# Altium PCB IntelligentCarFor51PcbDoc.PcbDoc (part 9 of 14)
Units mil, origin at the board's own origin, x right, y up, seen from the top; angles counter-clockwise.
Board outline 2298.05 x 2090.03 mil, 2 copper layers (Top Layer, Bottom Layer); 55 components, 66 nets, 258 pads, 143 vias.
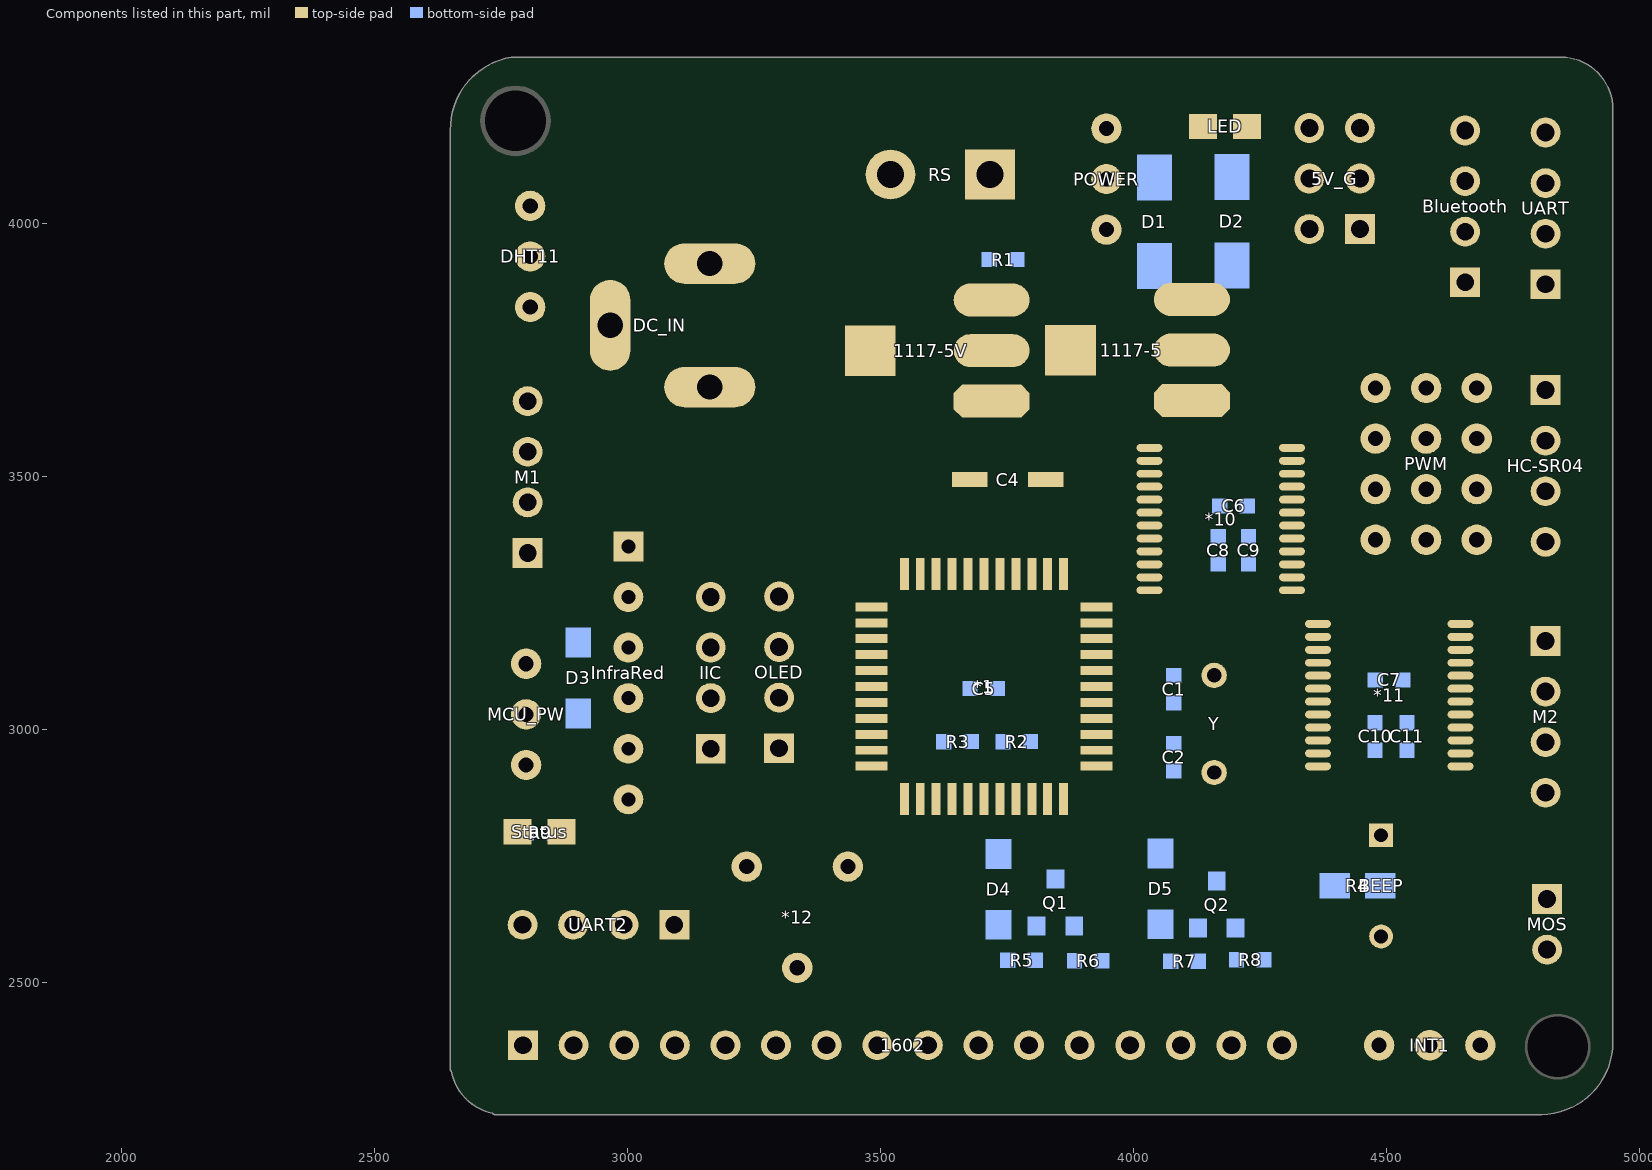
[diagram p9: the components of this part, seen from the top]

## Via types
v1: diameter 12, hole 8, Top Layer to Bottom Layer, 53 vias
v2: diameter 10, hole 7, Top Layer to Bottom Layer, 20 vias
v3: diameter 20, hole 12, Top Layer to Bottom Layer, 15 vias
v4: diameter 35, hole 25, Top Layer to Bottom Layer, 13 vias
v5: diameter 15, hole 10, Top Layer to Bottom Layer, 10 vias
v6: diameter 18, hole 12, Top Layer to Bottom Layer, 10 vias
v7: diameter 50, hole 35, Top Layer to Bottom Layer, 7 vias
v8: diameter 30, hole 20, Top Layer to Bottom Layer, 5 vias
v9: diameter 12, hole 7, Top Layer to Bottom Layer, 3 vias
v10: diameter 25, hole 18, Top Layer to Bottom Layer, 2 vias
v11: diameter 40, hole 30, Top Layer to Bottom Layer, 2 vias
v12: diameter 8, hole 7, Top Layer to Bottom Layer, 1 vias
v13: diameter 30, hole 22, Top Layer to Bottom Layer, 1 vias
v14: diameter 24, hole 18, Top Layer to Bottom Layer, 1 vias

## Nets (pads, with @x,y where several pads share a name; then routed paths per layer and width w, separated by ;. In a path a pad name is that pad's centre, name@x,y a point inside that pad or via, vN(x,y) a via of type N, cw(c..) or ccw(c..) an arc to the next point about the centre after c; other vN are vias at no path point) (continued)
copper on no net: (continued)
  Top Layer w0.35: 2116.2,3205 2121.45,3205 ; 2116.2,3205.35 2121.45,3205.35 ; 2116.2,3220.05 2121.45,3220.05 ; 2116.2,3220.4 2121.45,3220.4 ; 2116.2,3229.85 2118.3,3229.85 ; 2116.2,3237.2 2120.05,3237.2 ; 2116.2,3246.65 2290.5,3246.65 ; 2116.2,3255.75 2124.6,3255.75 ; 2116.2,3263.1 2124.6,3263.1 ; 2116.55,3195.9 2118.3,3195.9 ; 2116.55,3205.7 2121.45,3205.7 ; 2116.55,3206.05 2121.8,3206.05 ; 2116.55,3206.4 2121.8,3206.4 ; 2116.55,3219 2121.8,3219 ; 2116.55,3219.35 2121.45,3219.35 ; 2116.55,3219.7 2121.45,3219.7 ; 2116.55,3229.5 2118.3,3229.5 ; 2116.55,3236.85 2120.4,3236.85 ; 2116.55,3240.7 2123.2,3240.7 ; 2116.55,3246.3 2289.8,3246.3 ; 2116.55,3255.4 2124.25,3255.4 ; 2116.55,3263.45 2124.25,3263.45 ; 2116.9,3196.25 2118.65,3196.25 ; 2116.9,3206.75 2121.8,3206.75 ; 2116.9,3207.1 2121.8,3207.1 ; 2116.9,3207.45 2122.15,3207.45 ; 2116.9,3207.8 2122.15,3207.8 ; 2116.9,3217.95 2122.15,3217.95 ; 2116.9,3218.3 2121.8,3218.3 ; 2116.9,3218.65 2121.8,3218.65 ; 2116.9,3229.15 2118.65,3229.15 ; 2116.9,3236.5 2120.75,3236.5 ; 2116.9,3240.35 2123.55,3240.35 ; 2116.9,3255.05 2123.9,3255.05 ; 2117.25,3196.6 2119,3196.6 ; 2117.25,3208.15 2122.15,3208.15 ; 2117.25,3208.5 2122.15,3208.5 ; 2117.25,3208.85 2122.15,3208.85 ; 2117.25,3209.2 2122.5,3209.2 ; 2117.25,3216.2 2122.15,3216.2 ; 2117.25,3216.55 2122.15,3216.55 ; 2117.25,3216.9 2122.15,3216.9 ; 2117.25,3217.25 2122.15,3217.25 ; 2117.25,3217.6 2122.15,3217.6 ; 2117.25,3228.8 2119,3228.8 ; 2117.25,3236.15 2121.1,3236.15 ; 2117.25,3240 2123.9,3240 ; 2117.25,3245.95 2289.45,3245.95 ; 2117.25,3263.8 2123.55,3263.8 ; 2117.6,3196.95 2119.35,3196.95 ; 2117.6,3197.3 2119.35,3197.3 ; 2117.6,3209.55 2122.5,3209.55 ; 2117.6,3209.9 2122.5,3209.9 ; 2117.6,3210.25 2122.5,3210.25 ; 2117.6,3210.6 2122.5,3210.6 ; 2117.6,3210.95 2122.5,3210.95 ; 2117.6,3211.3 2122.5,3211.3 ; 2117.6,3211.65 2122.5,3211.65 ; 2117.6,3212 2122.5,3212 ; 2117.6,3212.35 2122.5,3212.35 ; 2117.6,3212.7 2122.5,3212.7 ; 2117.6,3213.05 2122.5,3213.05 ; 2117.6,3213.4 2122.5,3213.4 ; 2117.6,3213.75 2122.5,3213.75 ; 2117.6,3214.1 2122.5,3214.1 ; 2117.6,3214.45 2122.5,3214.45 ; 2117.6,3214.8 2122.5,3214.8 ; 2117.6,3215.15 2122.5,3215.15 ; 2117.6,3215.5 2122.5,3215.5 ; 2117.6,3215.85 2122.5,3215.85 ; 2117.6,3228.45 2119.35,3228.45 ; 2117.6,3254.7 2123.2,3254.7 ; 2117.6,3264.15 2123.2,3264.15 ; 2117.95,3197.65 2119.7,3197.65 ; 2117.95,3227.75 2119.7,3227.75 ; 2117.95,3228.1 2119.35,3228.1 ; 2117.95,3235.8 2121.45,3235.8 ; 2117.95,3239.65 2124.25,3239.65 ; 2117.95,3245.6 2294.7,3245.6 ; 2117.95,3254.35 2122.85,3254.35 ; 2117.95,3299.85 2242.9,3299.85 ; 2118.3,3198 2120.05,3198 ; 2118.3,3227.4 2120.05,3227.4 ; 2118.3,3235.45 2121.8,3235.45 ; 2118.3,3239.3 2124.6,3239.3 ; 2118.3,3245.25 2288.05,3245.25 ; 2118.65,3198.35 2120.05,3198.35 ; 2118.65,3198.7 2120.4,3198.7 ; 2118.65,3226.7 2120.4,3226.7 ; 2118.65,3227.05 2120.05,3227.05 ; 2118.65,3235.1 2122.15,3235.1 ; 2118.65,3238.95 2124.95,3238.95 ; 2118.65,3264.5 2122.15,3264.5 ; 2119,3199.05 2120.75,3199.05 ; 2119,3226.35 2120.75,3226.35 ; 2119,3234.75 2122.5,3234.75 ; 2119,3244.9 2287.35,3244.9 ; 2119.35,3199.4 2120.75,3199.4 ; 2119.35,3199.75 2121.1,3199.75 ; 2119.35,3225.65 2121.1,3225.65 ; 2119.35,3226 2120.75,3226 ; 2119.35,3234.4 2122.85,3234.4 ; 2119.35,3238.6 2125.3,3238.6 ; 2119.35,3244.55 2295.75,3244.55 ; 2119.35,3254 2121.45,3254 ; 2119.7,3200.1 2121.1,3200.1 ; 2119.7,3225.3 2121.1,3225.3 ; 2119.7,3233.7 2123.2,3233.7 ; 2119.7,3234.05 2122.85,3234.05 ; 2119.7,3238.25 2125.65,3238.25 ; 2120.05,3200.45 2121.45,3200.45 ; 2120.05,3200.8 2121.45,3200.8 ; 2120.05,3224.6 2121.45,3224.6 ; 2120.05,3224.95 2121.45,3224.95 ; 2120.05,3233.35 2123.55,3233.35 ; 2120.05,3237.9 2125.65,3237.9 ; 2120.05,3244.2 2286.3,3244.2 ; 2120.4,3201.15 2121.8,3201.15 ; 2120.4,3201.5 2121.8,3201.5 ; 2120.4,3223.9 2121.8,3223.9 ; 2120.4,3224.25 2121.8,3224.25 ; 2120.4,3233 2123.55,3233 ; 2120.4,3237.55 2126,3237.55 ; 2120.4,3243.85 2296.45,3243.85 ; 2120.75,3201.85 2122.15,3201.85 ; 2120.75,3202.2 2122.15,3202.2 ; 2120.75,3223.2 2122.15,3223.2 ; 2120.75,3223.55 2122.15,3223.55 ; 2120.75,3232.65 2123.9,3232.65 ; 2120.75,3237.2 2126.35,3237.2 ; 2120.75,3243.5 2285.25,3243.5 ; 2121.1,3202.55 2122.5,3202.55 ; 2121.1,3202.9 2122.5,3202.9 ; 2121.1,3203.25 2122.85,3203.25 ; 2121.1,3222.15 2122.85,3222.15 ; 2121.1,3222.5 2122.5,3222.5 ; 2121.1,3222.85 2122.5,3222.85 ; 2121.1,3231.95 2124.25,3231.95 ; 2121.1,3232.3 2124.25,3232.3 ; 2121.1,3236.85 2126.7,3236.85 ; 2121.1,3243.15 2284.9,3243.15 ; 2121.45,3203.6 2122.85,3203.6 ; 2121.45,3203.95 2122.85,3203.95 ; 2121.45,3221.45 2122.85,3221.45 ; 2121.45,3221.8 2122.85,3221.8 ; 2121.45,3231.6 2124.6,3231.6 ; 2121.45,3236.5 2126.7,3236.5 ; 2121.45,3242.8 2284.55,3242.8 ; 2121.45,3253.65 2171.5,3253.65 ; 2121.8,3204.3 2123.2,3204.3 ; 2121.8,3204.65 2123.2,3204.65 ; 2121.8,3205 2123.2,3205 ; 2121.8,3220.4 2123.2,3220.4 ; 2121.8,3220.75 2123.2,3220.75 ; 2121.8,3221.1 2123.2,3221.1 ; 2121.8,3230.9 2124.95,3230.9 ; 2121.8,3231.25 2124.95,3231.25 ; 2121.8,3236.15 2127.05,3236.15 ; 2122.15,3205.35 2123.55,3205.35 ; 2122.15,3205.7 2125.65,3205.7 ; 2122.15,3206.05 2283.5,3206.05 ; 2122.15,3206.4 2278.25,3206.4 ; 2122.15,3219.35 2123.55,3219.35 ; 2122.15,3219.7 2123.55,3219.7 ; 2122.15,3220.05 2123.55,3220.05 ; 2122.15,3230.55 2125.3,3230.55 ; 2122.15,3235.45 2127.4,3235.45 ; 2122.15,3235.8 2127.4,3235.8 ; 2122.15,3242.45 2284.2,3242.45 ; 2122.5,3206.75 2278.25,3206.75 ; 2122.5,3207.1 2123.9,3207.1 ; 2122.5,3207.45 2123.9,3207.45 ; 2122.5,3207.8 2123.9,3207.8 ; 2122.5,3217.6 2123.9,3217.6 ; 2122.5,3217.95 2123.9,3217.95 ; 2122.5,3218.3 2123.9,3218.3 ; 2122.5,3218.65 2123.9,3218.65 ; 2122.5,3219 2123.9,3219 ; 2122.5,3230.2 2125.65,3230.2 ; 2122.5,3235.1 2127.75,3235.1 ; 2122.5,3242.1 2297.85,3242.1 ; 2122.5,3264.85 2162.75,3264.85 ; 2122.85,3208.15 2124.25,3208.15 ; 2122.85,3208.5 2124.25,3208.5 ; 2122.85,3208.85 2124.25,3208.85 ; 2122.85,3209.2 2124.25,3209.2 ; 2122.85,3209.55 2124.25,3209.55 ; 2122.85,3209.9 2124.25,3209.9 ; 2122.85,3210.25 2124.25,3210.25 ; 2122.85,3210.6 2124.25,3210.6 ; 2122.85,3215.15 2124.25,3215.15 ; 2122.85,3215.5 2124.25,3215.5 ; 2122.85,3215.85 2124.25,3215.85 ; 2122.85,3216.2 2124.25,3216.2 ; 2122.85,3216.55 2124.25,3216.55 ; 2122.85,3216.9 2124.25,3216.9 ; 2122.85,3217.25 2123.9,3217.25 ; 2122.85,3229.5 2126,3229.5 ; 2122.85,3229.85 2125.65,3229.85 ; 2122.85,3234.75 2128.1,3234.75 ; 2122.85,3241.75 2292.6,3241.75 ; 2122.85,3254 2170.45,3254 ; 2123.2,3210.95 2124.25,3210.95 ; 2123.2,3211.3 2124.6,3211.3 ; 2123.2,3211.65 2124.6,3211.65 ; 2123.2,3212 2124.6,3212 ; 2123.2,3212.35 2124.6,3212.35 ; 2123.2,3212.7 2124.6,3212.7 ; 2123.2,3213.05 2124.6,3213.05 ; 2123.2,3213.4 2124.6,3213.4 ; 2123.2,3213.75 2124.6,3213.75 ; 2123.2,3214.1 2124.6,3214.1 ; 2123.2,3214.45 2124.25,3214.45 ; 2123.2,3214.8 2124.25,3214.8 ; 2123.2,3228.8 2126.35,3228.8 ; 2123.2,3229.15 2126,3229.15 ; 2123.2,3234.4 2128.1,3234.4 ; 2123.2,3241.4 2282.8,3241.4 ; 2123.2,3264.5 2162.4,3264.5 ; 2123.55,3228.1 2126.7,3228.1 ; 2123.55,3228.45 2126.35,3228.45 ; 2123.55,3233.7 2128.8,3233.7 ; 2123.55,3234.05 2128.45,3234.05 ; 2123.55,3241.05 2282.45,3241.05 ; 2123.55,3254.35 2170.1,3254.35 ; 2123.55,3264.15 2230.65,3264.15 ; 2123.9,3227.4 2127.05,3227.4 ; 2123.9,3227.75 2126.7,3227.75 ; 2123.9,3233.35 2128.8,3233.35 ; 2123.9,3240.7 2282.1,3240.7 ; 2123.9,3254.7 2169.4,3254.7 ; 2123.9,3269.75 2166.25,3269.75 ; 2124.25,3226.7 2127.05,3226.7 ; 2124.25,3227.05 2127.05,3227.05 ; 2124.25,3232.65 2129.15,3232.65 ; 2124.25,3233 2129.15,3233 ; 2124.25,3240.35 2281.75,3240.35 ; 2124.25,3263.8 2234.85,3263.8 ; 2124.25,3268.7 2145.25,3268.7 ; 2124.6,3225.65 2127.75,3225.65 ; 2124.6,3226 2127.4,3226 ; 2124.6,3226.35 2127.4,3226.35 ; 2124.6,3232.3 2129.5,3232.3 ; 2124.6,3240 2281.4,3240 ; 2124.6,3255.05 2169.05,3255.05 ; 2124.6,3263.45 2161.7,3263.45 ; 2124.95,3224.95 2127.75,3224.95 ; 2124.95,3225.3 2127.75,3225.3 ; 2124.95,3231.6 2129.85,3231.6 ; 2124.95,3231.95 2129.5,3231.95 ; 2124.95,3239.3 2288.75,3239.3 ; 2124.95,3239.65 2289.1,3239.65 ; 2124.95,3255.4 2168.7,3255.4 ; 2124.95,3255.75 2329,3255.75 ; 2124.95,3263.1 2161.35,3263.1 ; 2125.3,3223.9 2128.1,3223.9 ; 2125.3,3224.25 2128.1,3224.25 ; 2125.3,3224.6 2128.1,3224.6 ; 2125.3,3231.25 2129.85,3231.25 ; 2125.3,3238.95 2292.95,3238.95 ; 2125.3,3256.1 2166.25,3256.1 ; 2125.3,3262.75 2235.9,3262.75 ; 2125.3,3308.25 2206.5,3308.25 ; 2125.65,3207.1 2278.25,3207.1 ; 2125.65,3222.85 2128.45,3222.85 ; 2125.65,3223.2 2128.45,3223.2 ; 2125.65,3223.55 2128.45,3223.55 ; 2125.65,3230.55 2130.2,3230.55 ; 2125.65,3230.9 2130.2,3230.9 ; 2125.65,3238.6 2287.7,3238.6 ; 2125.65,3256.45 2165.55,3256.45 ; 2125.65,3256.8 2165.2,3256.8 ; 2125.65,3262.05 2235.55,3262.05 ; 2125.65,3262.4 2161,3262.4 ; 2126,3221.8 2128.8,3221.8 ; 2126,3222.15 2128.8,3222.15 ; 2126,3222.5 2128.8,3222.5 ; 2126,3229.85 2130.55,3229.85 ; 2126,3230.2 2130.55,3230.2 ; 2126,3238.25 2280,3238.25 ; 2126,3257.15 2165.2,3257.15 ; 2126,3257.5 2165.2,3257.5 ; 2126,3261 2235.55,3261 ; 2126,3261.35 2280.35,3261.35 ; 2126,3261.7 2160.65,3261.7 ; 2126.35,3220.4 2129.15,3220.4 ; 2126.35,3220.75 2129.15,3220.75 ; 2126.35,3221.1 2129.15,3221.1 ; 2126.35,3221.45 2129.15,3221.45 ; 2126.35,3229.15 2130.9,3229.15 ; 2126.35,3229.5 2130.9,3229.5 ; 2126.35,3237.55 2279.3,3237.55 ; 2126.35,3237.9 2279.65,3237.9 ; 2126.35,3257.85 2165.2,3257.85 ; 2126.35,3258.2 2165.2,3258.2 ; 2126.35,3258.55 2165.55,3258.55 ; 2126.35,3258.9 2168.35,3258.9 ; 2126.35,3259.25 2178.15,3259.25 ; 2126.35,3259.6 2168.7,3259.6 ; 2126.35,3259.95 2169.05,3259.95 ; 2126.35,3260.3 2169.75,3260.3 ; 2126.35,3260.65 2170.1,3260.65 ; 2126.7,3219 2129.5,3219 ; 2126.7,3219.35 2129.5,3219.35 ; 2126.7,3219.7 2129.5,3219.7 ; 2126.7,3220.05 2129.5,3220.05 ; 2126.7,3228.45 2131.25,3228.45 ; 2126.7,3228.8 2131.25,3228.8 ; 2126.7,3237.2 2279.3,3237.2 ; 2127.05,3217.25 2129.85,3217.25 ; 2127.05,3217.6 2129.85,3217.6 ; 2127.05,3217.95 2129.85,3217.95 ; 2127.05,3218.3 2129.85,3218.3 ; 2127.05,3218.65 2129.5,3218.65 ; 2127.05,3227.75 2131.6,3227.75 ; 2127.05,3228.1 2131.25,3228.1 ; 2127.05,3236.85 2278.95,3236.85 ; 2127.4,3215.15 2128.8,3215.15 ; 2127.4,3215.5 2130.2,3215.5 ; 2127.4,3215.85 2130.2,3215.85 ; 2127.4,3216.2 2130.2,3216.2 ; 2127.4,3216.55 2129.85,3216.55 ; 2127.4,3216.9 2129.85,3216.9 ; 2127.4,3227.05 2131.95,3227.05 ; 2127.4,3227.4 2131.6,3227.4 ; 2127.4,3236.15 2285.25,3236.15 ; 2127.4,3236.5 2278.6,3236.5 ; 2127.75,3212 2278.6,3212 ; 2127.75,3212.35 2272.65,3212.35 ; 2127.75,3212.7 2258.65,3212.7 ; 2127.75,3213.05 2241.5,3213.05 ; 2127.75,3213.4 2226.45,3213.4 ; 2127.75,3213.75 2209.3,3213.75 ; 2127.75,3214.1 2190.05,3214.1 ; 2127.75,3214.45 2171.85,3214.45 ; 2127.75,3214.8 2149.1,3214.8 ; 2127.75,3226 2132.3,3226 ; 2127.75,3226.35 2131.95,3226.35 ; 2127.75,3226.7 2131.95,3226.7 ; 2127.75,3235.8 2278.25,3235.8 ; 2128.1,3207.45 2278.25,3207.45 ; 2128.1,3207.8 2278.6,3207.8 ; 2128.1,3208.15 2278.25,3208.15 ; 2128.1,3208.5 2278.25,3208.5 ; 2128.1,3208.85 2278.6,3208.85 ; 2128.1,3209.2 2278.6,3209.2 ; 2128.1,3209.55 2278.6,3209.55 ; 2128.1,3209.9 2278.6,3209.9 ; 2128.1,3210.25 2278.6,3210.25 ; 2128.1,3210.6 2278.6,3210.6 ; 2128.1,3210.95 2278.6,3210.95 ; 2128.1,3211.3 2278.6,3211.3 ; 2128.1,3211.65 2278.6,3211.65 ; 2128.1,3225.3 2132.3,3225.3 ; 2128.1,3225.65 2132.3,3225.65 ; 2128.1,3235.1 2284.2,3235.1 ; 2128.1,3235.45 2277.9,3235.45 ; 2128.45,3203.95 2278.25,3203.95 ; 2128.45,3204.3 2278.25,3204.3 ; 2128.45,3204.65 2278.25,3204.65 ; 2128.45,3205 2281.05,3205 ; 2128.45,3205.35 2283.85,3205.35 ; 2128.45,3205.7 2283.85,3205.7 ; 2128.45,3224.25 2132.65,3224.25 ; 2128.45,3224.6 2132.65,3224.6 ; 2128.45,3224.95 2132.65,3224.95 ; 2128.45,3234.4 2283.5,3234.4 ; 2128.45,3234.75 2277.55,3234.75 ; 2128.8,3203.6 2278.25,3203.6 ; 2128.8,3223.2 2133,3223.2 ; 2128.8,3223.55 2133,3223.55 ; 2128.8,3223.9 2133,3223.9 ; 2128.8,3234.05 2286.65,3234.05 ; 2129.15,3221.8 2133.35,3221.8 ; 2129.15,3222.15 2133.35,3222.15 ; 2129.15,3222.5 2133.35,3222.5 ; 2129.15,3222.85 2133.35,3222.85 ; 2129.15,3233.35 2276.85,3233.35 ; 2129.15,3233.7 2286.65,3233.7 ; 2129.5,3220.4 2133.7,3220.4 ; 2129.5,3220.75 2133.7,3220.75 ; 2129.5,3221.1 2133.7,3221.1 ; 2129.5,3221.45 2133.7,3221.45 ; 2129.5,3232.65 2285.6,3232.65 ; 2129.5,3233 2282.45,3233 ; 2129.85,3218.65 2134.05,3218.65 ; 2129.85,3219 2134.05,3219 ; 2129.85,3219.35 2134.05,3219.35 ; 2129.85,3219.7 2134.05,3219.7 ; 2129.85,3220.05 2134.05,3220.05 ; 2129.85,3231.95 2281.75,3231.95 ; 2129.85,3232.3 2285.25,3232.3 ; 2130.2,3216.55 2134.4,3216.55 ; 2130.2,3216.9 2134.4,3216.9 ; 2130.2,3217.25 2134.4,3217.25 ; 2130.2,3217.6 2134.4,3217.6 ; 2130.2,3217.95 2134.4,3217.95 ; 2130.2,3218.3 2134.4,3218.3 ; 2130.2,3231.25 2281.4,3231.25 ; 2130.2,3231.6 2275.8,3231.6 ; 2130.55,3215.5 2134.75,3215.5 ; 2130.55,3215.85 2134.75,3215.85 ; 2130.55,3216.2 2278.95,3216.2 ; 2130.55,3230.9 2275.45,3230.9 ; 2130.9,3229.85 2283.5,3229.85 ; 2130.9,3230.2 2280.7,3230.2 ; 2130.9,3230.55 2284.2,3230.55 ; 2131.25,3229.15 2283.15,3229.15 ; 2131.25,3229.5 2274.75,3229.5 ; 2131.6,3228.1 2279.65,3228.1 ; 2131.6,3228.45 2279.65,3228.45 ; 2131.6,3228.8 2280,3228.8 ; 2131.95,3227.4 2279.3,3227.4 ; 2131.95,3227.75 2282.45,3227.75 ; 2132.3,3226.35 2282.1,3226.35 ; 2132.3,3226.7 2282.1,3226.7 ; 2132.3,3227.05 2282.1,3227.05 ; 2132.65,3225.3 2281.4,3225.3 ; 2132.65,3225.65 2278.6,3225.65 ; 2132.65,3226 2278.6,3226 ; 2133,3224.25 2281.05,3224.25 ; 2133,3224.6 2281.4,3224.6 ; 2133,3224.95 2281.4,3224.95 ; 2133,3297.4 2164.85,3297.4 ; 2133.35,3203.25 2278.25,3203.25 ; 2133.35,3223.2 2280.7,3223.2 ; 2133.35,3223.55 2281.05,3223.55 ; 2133.35,3223.9 2281.05,3223.9 ; 2133.7,3222.15 2280.35,3222.15 ; 2133.7,3222.5 2280.7,3222.5 ; 2133.7,3222.85 2280.7,3222.85 ; 2134.05,3220.4 2280,3220.4 ; 2134.05,3220.75 2280,3220.75 ; 2134.05,3221.1 2280,3221.1 ; 2134.05,3221.45 2280.35,3221.45 ; 2134.05,3221.8 2280.35,3221.8 ; 2134.05,3268.35 2134.4,3268.35 ; 2134.4,3218.65 2279.65,3218.65 ; 2134.4,3219 2279.65,3219 ; 2134.4,3219.35 2279.65,3219.35 ; 2134.4,3219.7 2279.65,3219.7 ; 2134.4,3220.05 2280,3220.05 ; 2134.4,3269.4 2166.25,3269.4 ; 2134.75,3216.9 2279.3,3216.9 ; 2134.75,3217.25 2279.3,3217.25 ; 2134.75,3217.6 2279.3,3217.6 ; 2134.75,3217.95 2279.3,3217.95 ; 2134.75,3218.3 2279.3,3218.3 ; 2135.1,3215.5 2278.95,3215.5 ; 2135.1,3215.85 2278.95,3215.85 ; 2135.1,3216.55 2279.3,3216.55 ; 2135.1,3268.35 2156.1,3268.35 ; 2137.2,3308.6 2198.8,3308.6 ; 2142.8,3271.15 2143.15,3271.15 ; 2144.2,3268 2166.95,3268 ; 2144.55,3202.9 2278.25,3202.9 ; 2145.6,3269.05 2168,3269.05 ; 2148.05,3299.5 2239.75,3299.5 ; 2149.45,3215.15 2278.95,3215.15 ; 2152.6,3297.05 2164.85,3297.05 ; 2153.65,3267.65 2177.45,3267.65 ; 2153.65,3271.15 2165.9,3271.15 ; 2153.65,3296.7 2164.85,3296.7 ; 2154.35,3271.5 2165.9,3271.5 ; 2154.35,3296.35 2164.85,3296.35 ; 2154.7,3271.85 2165.9,3271.85 ; 2154.7,3295.65 2164.85,3295.65 ; 2154.7,3296 2164.85,3296 ; 2155.05,3272.2 2165.9,3272.2 ; 2155.05,3272.55 2165.9,3272.55 ; 2155.05,3295.3 2164.85,3295.3 ; 2155.4,3272.9 2165.9,3272.9 ; 2155.4,3273.25 2165.9,3273.25 ; 2155.4,3273.6 2165.9,3273.6 ; 2155.4,3273.95 2165.9,3273.95 ; 2155.4,3275 2165.9,3275 ; 2155.4,3275.35 2165.9,3275.35 ; 2155.4,3275.7 2165.9,3275.7 ; 2155.4,3276.05 2165.9,3276.05 ; 2155.4,3276.4 2165.9,3276.4 ; 2155.4,3276.75 2165.9,3276.75 ; 2155.4,3277.1 2165.9,3277.1 ; 2155.4,3277.45 2165.9,3277.45 ; 2155.4,3277.8 2165.9,3277.8 ; 2155.4,3278.15 2167.3,3278.15 ; 2155.4,3278.5 2167.3,3278.5 ; 2155.4,3278.85 2165.55,3278.85 ; 2155.4,3279.2 2165.55,3279.2 ; 2155.4,3279.55 2165.55,3279.55 ; 2155.4,3279.9 2165.55,3279.9 ; 2155.4,3280.25 2165.55,3280.25 ; 2155.4,3280.6 2165.55,3280.6 ; 2155.4,3280.95 2165.55,3280.95 ; 2155.4,3281.3 2165.55,3281.3 ; 2155.4,3281.65 2165.55,3281.65 ; 2155.4,3282 2165.55,3282 ; 2155.4,3282.35 2165.55,3282.35 ; 2155.4,3282.7 2165.55,3282.7 ; 2155.4,3283.05 2165.55,3283.05 ; 2155.4,3283.4 2165.55,3283.4 ; 2155.4,3283.75 2165.55,3283.75 ; 2155.4,3284.1 2165.55,3284.1 ; 2155.4,3284.45 2165.55,3284.45 ; 2155.4,3284.8 2165.55,3284.8 ; 2155.4,3285.15 2165.55,3285.15 ; 2155.4,3285.5 2165.55,3285.5 ; 2155.4,3285.85 2165.55,3285.85 ; 2155.4,3286.2 2166.95,3286.2 ; 2155.4,3292.15 2165.2,3292.15 ; 2155.4,3292.5 2165.2,3292.5 ; 2155.4,3293.55 2165.2,3293.55 ; 2155.4,3293.9 2165.2,3293.9 ; 2155.4,3294.25 2165.2,3294.25 ; 2155.4,3294.6 2164.85,3294.6 ; 2155.4,3294.95 2164.85,3294.95 ; 2155.75,3268.7 2166.25,3268.7 ; 2155.75,3274.3 2165.9,3274.3 ; 2155.75,3274.65 2165.9,3274.65 ; 2155.75,3286.55 2166.95,3286.55 ; 2155.75,3286.9 2165.2,3286.9 ; 2155.75,3287.25 2165.2,3287.25 ; 2155.75,3287.6 2165.2,3287.6 ; 2155.75,3287.95 2165.2,3287.95 ; 2155.75,3288.3 2165.2,3288.3 ; 2155.75,3288.65 2165.2,3288.65 ; 2155.75,3289 2165.2,3289 ; 2155.75,3289.35 2165.2,3289.35 ; 2155.75,3289.7 2165.2,3289.7 ; 2155.75,3290.05 2165.2,3290.05 ; 2155.75,3290.4 2165.2,3290.4 ; 2155.75,3290.75 2165.2,3290.75 ; 2155.75,3291.1 2165.2,3291.1 ; 2155.75,3291.45 2165.2,3291.45 ; 2155.75,3291.8 2165.2,3291.8 ; 2155.75,3292.85 2165.2,3292.85 ; 2155.75,3293.2 2165.2,3293.2 ; 2156.1,3308.95 2156.8,3308.95 ; 2157.5,3308.95 2180.95,3308.95 ; 2159.95,3202.55 2278.25,3202.55 ; 2161,3261.7 2260.4,3261.7 ; 2161.35,3262.4 2235.9,3262.4 ; 2161.7,3263.1 2236.25,3263.1 ; 2162.05,3263.45 2246.05,3263.45 ; 2162.75,3264.5 2222.95,3264.5 ; 2163.1,3264.85 2214.9,3264.85 ; 2163.1,3267.3 2186.55,3267.3 ; 2163.8,3265.55 2198.45,3265.55 ; 2164.5,3214.8 2164.85,3214.8 ; 2164.5,3265.9 2189.7,3265.9 ; 2165.2,3266.25 2181.3,3266.25 ; 2165.2,3266.95 2165.55,3266.95 ; 2165.2,3294.6 2166.6,3294.6 ; 2165.2,3294.95 2166.6,3294.95 ; 2165.2,3295.65 2166.95,3295.65 ; 2165.2,3296 2166.95,3296 ; 2165.2,3296.35 2167.3,3296.35 ; 2165.2,3296.7 2167.65,3296.7 ; 2165.2,3297.05 2168.35,3297.05 ; 2165.2,3297.4 2169.05,3297.4 ; 2165.2,3297.75 2226.45,3297.75 ; 2165.2,3298.1 2226.1,3298.1 ; 2165.55,3257.15 2167.3,3257.15 ; 2165.55,3257.5 2167.65,3257.5 ; 2165.55,3268.35 2165.9,3268.35 ; 2165.55,3286.9 2166.95,3286.9 ; 2165.55,3287.25 2166.95,3287.25 ; 2165.55,3287.6 2166.95,3287.6 ; 2165.55,3287.95 2166.95,3287.95 ; 2165.55,3288.3 2166.6,3288.3 ; 2165.55,3288.65 2166.6,3288.65 ; 2165.55,3289 2166.6,3289 ; 2165.55,3289.35 2166.6,3289.35 ; 2165.55,3289.7 2166.6,3289.7 ; 2165.55,3290.05 2166.6,3290.05 ; 2165.55,3290.4 2166.6,3290.4 ; 2165.55,3290.75 2166.6,3290.75 ; 2165.55,3291.1 2166.6,3291.1 ; 2165.55,3291.45 2166.6,3291.45 ; 2165.55,3291.8 2166.6,3291.8 ; 2165.55,3292.15 2166.6,3292.15 ; 2165.55,3292.5 2166.6,3292.5 ; 2165.55,3292.85 2166.6,3292.85 ; 2165.55,3293.2 2166.6,3293.2 ; 2165.55,3293.55 2166.6,3293.55 ; 2165.55,3293.9 2166.6,3293.9 ; 2165.55,3294.25 2166.6,3294.25 ; 2165.55,3295.3 2166.6,3295.3 ; 2165.9,3256.8 2167.3,3256.8 ; 2165.9,3257.85 2167.3,3257.85 ; 2165.9,3278.85 2167.3,3278.85 ; 2165.9,3279.2 2167.3,3279.2 ; 2165.9,3279.55 2167.3,3279.55 ; 2165.9,3279.9 2167.3,3279.9 ; 2165.9,3280.25 2167.3,3280.25 ; 2165.9,3280.6 2167.3,3280.6 ; 2165.9,3280.95 2167.3,3280.95 ; 2165.9,3281.3 2167.3,3281.3 ; 2165.9,3281.65 2167.3,3281.65 ; 2165.9,3282 2167.3,3282 ; 2165.9,3282.35 2166.95,3282.35 ; 2165.9,3282.7 2166.95,3282.7 ; 2165.9,3283.05 2166.95,3283.05 ; 2165.9,3283.4 2166.95,3283.4 ; 2165.9,3283.75 2166.95,3283.75 ; 2165.9,3284.1 2166.95,3284.1 ; 2165.9,3284.45 2166.95,3284.45 ; 2165.9,3284.8 2166.95,3284.8 ; 2165.9,3285.15 2166.95,3285.15 ; 2165.9,3285.5 2166.95,3285.5 ; 2165.9,3285.85 2166.95,3285.85 ; 2166.25,3258.2 2166.95,3258.2 ; 2166.25,3271.15 2168,3271.15 ; 2166.25,3271.5 2167.65,3271.5 ; 2166.25,3271.85 2167.65,3271.85 ; 2166.25,3272.2 2167.65,3272.2 ; 2166.25,3272.55 2167.65,3272.55 ; 2166.25,3272.9 2167.65,3272.9 ; 2166.25,3273.25 2167.65,3273.25 ; 2166.25,3273.6 2167.65,3273.6 ; 2166.25,3273.95 2167.65,3273.95 ; 2166.25,3274.3 2167.65,3274.3 ; 2166.25,3274.65 2167.65,3274.65 ; 2166.25,3275 2167.65,3275 ; 2166.25,3275.35 2167.65,3275.35 ; 2166.25,3275.7 2167.65,3275.7 ; 2166.25,3276.05 2167.65,3276.05 ; 2166.25,3276.4 2167.65,3276.4 ; 2166.25,3276.75 2167.65,3276.75 ; 2166.25,3277.1 2167.3,3277.1 ; 2166.25,3277.45 2167.3,3277.45 ; 2166.25,3277.8 2167.3,3277.8 ; 2166.6,3256.1 